# Altium PCB V1Copy of 2 Layers.PcbDoc (part 1 of 2) (continued)
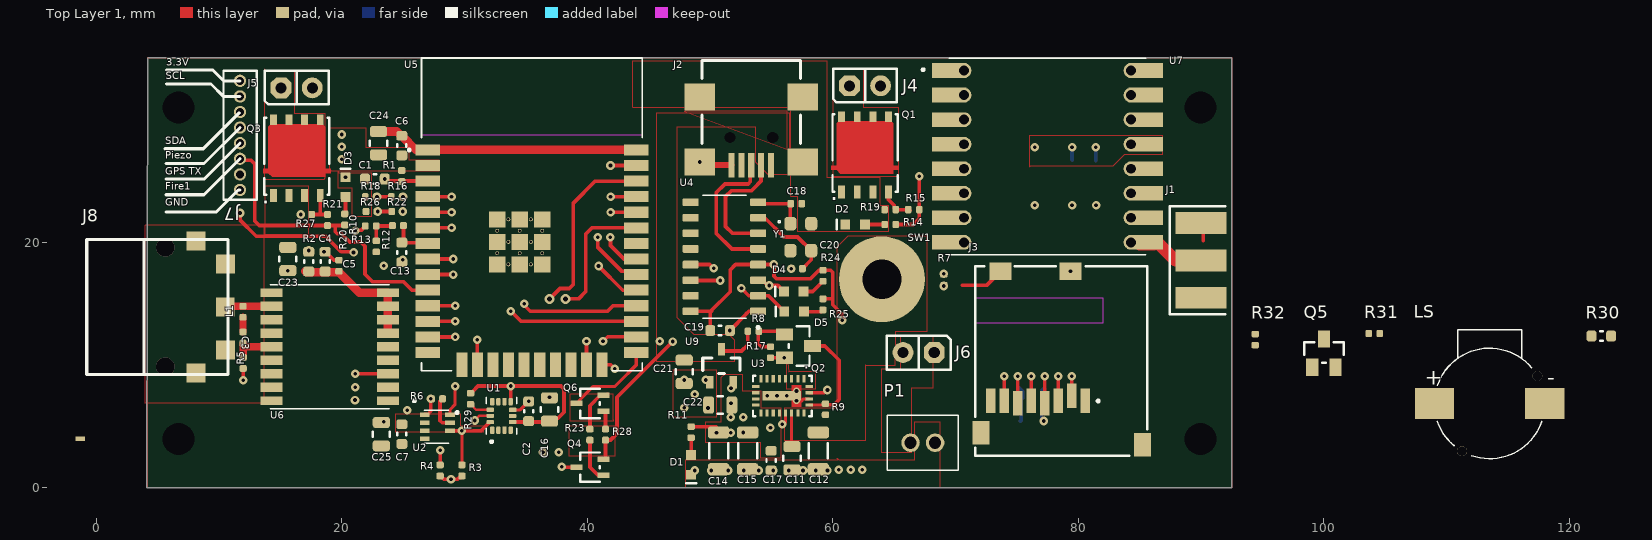
[diagram p0: Top Layer 1 view]
## Part data (continued)
J3: "10 _8 + 2_ Position Card Connector microSDâ„¢ Surface Mount, Right Angle Gold", Package=None, Availability=Unavailable, MF="Global Connector Technology", MP=MEM2061-01-188-00-A, Price=None, SnapEDA_Link=https://www.snapeda.com/parts/MEM2061-01-188-00-A/Global%20Connector%20Technology/view-part/779219/?ref=snap
J4 J5 J6: library part CON1108, Manufacturer 1=FCI, Manufacturer 4=Samtec, Manufacturer 5=Sullins, Manufacturer 6="SPC Technology", Manufacturer 8=Nextron, Manufacturer 10="WURTH ELEKTRONIK", Manufacturer Part Number 1=68001-202HLF, Manufacturer Part Number 2=77311-118-02LF, Manufacturer Part Number 3=68000-202HLF, Manufacturer Part Number 4=TSW-102-07-G-S, Manufacturer Part Number 5=PBC02SAAN, Manufacturer Part Number 6=SPC20481, Manufacturer Part Number 7=TSW-102-07-F-S, Manufacturer Part Number 8=R-211-0211-0021-000, Manufacturer Part Number 9=TSW-102-07-S-S, Manufacturer Part Number 10=61300211121, Supplier Part Number 1=609-3469-ND, Supplier Part Number 10=732-5315-ND, Category=Connector, ComponentLink1Description="SVN Datasheet", ComponentLink1URL=https://chn-vm-apps.microchip.com/mchprepo/parts/Datasheets/77311.pdf, ComponentLink2Description="Local Datasheet", ComponentLink2URL=C:\ALTIUM_WORK\00001_MCHP-CDB\Datasheets\77311.pdf, ComponentLink3Description="Open Symbol", ComponentLink3URL="C:\ALTIUM_WORK\00001_MCHP-CDB\Library\LibraryRefs\Header 1x2.SchLib", ComponentLink4Description="Open Footprint", ComponentLink4URL=C:\ALTIUM_WORK\00001_MCHP-CDB\Library\Footprints\HDR_M_2.54_1x2.PcbLib, ComponentLink5Description="Open Footprint 2", ComponentLink6Description="Open Footprint 3", ComponentLink7Description="Open Footprint 4", Description_="CON HDR-2.54 Male 1x2 Gold 5.84MH TH VERT", Dev Tools Status=Production, Manufacturer 2=FCI, Manufacturer 3=FCI, Manufacturer 7=Samtec, Manufacturer 9=Samtec, MCHP-ID=CON1108, Owner="Bogdan P (M91398)", Populated=Yes, Quantity Override=1, Revision=1, Status="MCL Design", Supplier 1=Digi-Key, Supplier 2=Digi-Key, Supplier 3=Digi-Key, Supplier 4=Digi-Key, Supplier 5=Digi-Key, Supplier 6=Newark, Supplier 7=Newark, Supplier 8=Nextron, Supplier 9=Samtec, Supplier 10=Digi-Key, Supplier Part Number 2=609-4434-ND, Supplier Part Number 3=609-3502-ND, Supplier Part Number 4=SAM1029-02-ND, Supplier Part Number 5=S1011E-02-ND, Supplier Part Number 6=93K5734, Supplier Part Number 7=79P3146, Supplier Part Number 8="Nextron R-211-0211-0021-000", Supplier Part Number 9=TSW-102-07-S-S, Symbol="Header 1x2", Type="Header 2.54mm"
J7: library part CON2104, Current=5A, Manufacturer 1="Samtec Inc.", Manufacturer Part Number 1=TMS-108-02-G-S, Operating Temperature="-55C to +125C", Supplier Part Number 1=SAM15869-ND, Assembly Type=TH, Category=Connector, ComponentLink1Description="SVN Datasheet", ComponentLink1URL=https://chn-vm-apps.microchip.com/mchprepo/parts/Datasheets/tms_th.pdf, ComponentLink2Description="Local Datasheet", ComponentLink2URL=C:\ALTIUM_WORK\00001_MCHP-CDB\Datasheets\tms_th.pdf, ComponentLink3Description="Open Symbol", ComponentLink3URL="C:\ALTIUM_WORK\00001_MCHP-CDB\Library\LibraryRefs\Header 1x8.SchLib", ComponentLink4Description="Open Footprint", ComponentLink4URL=C:\ALTIUM_WORK\00001_MCHP-CDB\Library\Footprints\HDR_M_1.27_1x8_V_TH_TMS-108-02-G-S.PcbLib, ComponentLink5Description="Open Footprint 2", ComponentLink6Description="Open Footprint 3", ComponentLink7Description="Open Footprint 4", Description_="CON HDR-1.27 Male 1x8 Gold 2.54MH TH VERT", Dev Tools Status=Design, MCHP-ID=CON2104, Owner="Ciprian Abramov", Populated=YES, Quantity Override=1, Revision=1, Status="MCL Design", Supplier 1=Digi-Key, Symbol="Header 1x8", Type="Header 1.27mm"
L1: library part IND1077, Manufacturer 1=TDK, Manufacturer Part Number 1=MLK1005S27NJ, Operating Temperature="-55C to +125C", Package=0402, RMS Current=200mA, Supplier Part Number 1=445-1472-1-ND, Test Frequency=100MHz, Category=Inductor, ComponentLink1Description="SVN Datasheet", ComponentLink1URL=https://chn-vm-apps.microchip.com/mchprepo/parts/Datasheets/e521_mlk.pdf, ComponentLink2Description="Local Datasheet", ComponentLink2URL=C:\ALTIUM_WORK\00001_MCHP-CDB\Datasheets\e521_mlk.pdf, ComponentLink3Description="Open Symbol", ComponentLink3URL=C:\ALTIUM_WORK\00001_MCHP-CDB\Library\LibraryRefs\Inductor.SchLib, ComponentLink4Description="Open Footprint", ComponentLink4URL=C:\ALTIUM_WORK\00001_MCHP-CDB\Library\Footprints\IND_C_0402.PcbLib, ComponentLink5Description="Open Footprint 2", ComponentLink6Description="Open Footprint 3", ComponentLink7Description="Open Footprint 4", DCR=0.8R, Description_="INDUCTOR 27nH 200mA 5% SMD 0402", Dev Tools Status=Production, MCHP-ID=IND1077, Owner="Tad Ahlvers", Populated=YES, Quantity Override=1, Revision=1, Status="MCL Design", Supplier 1=Digi-Key, Symbol=Inductor, Type=Inductor
LS: "9 mm, 3.6 V, 87 dB, Surface Mount _SMT_, Magnetic Audio Transducer Buzzer", Package="CUI Inc.", Availability=Unavailable, CUI_purchase_URL=https://www.cuidevices.com/product/audio/buzzers/audio-transducers/cbt-09427-smt-tr?utm_source=snapeda.com&utm_medium=referral&utm_campaign=snapedaBOM, MF="CUI Devices", MP=CBT-09427-SMT-TR, Price=None, SnapEDA_Link=https://www.snapeda.com/parts/CBT-09427-SMT-TR/CUI%20Devices/view-part/547873/?ref=snap
P1: "2 Rectangular Connectors - Housings Receptacle Natural 0.079 (2.00mm)", Package="Custom Package JST Sales", Availability=Warning, Check_prices=https://www.snapeda.com/parts/PHR-2/JST%20Sales%20America%20Inc./view-part/46880/?ref=eda, MF="JST Sales", MP=PHR-2, Price=None, Purchase-URL=https://pricing.snapeda.com/search/part/PHR-2/?ref=eda, SnapEDA_Link=https://www.snapeda.com/parts/PHR-2/JST%20Sales%20America%20Inc./view-part/46880/?ref=snap
Q1 Q3: library part TRA1320, Current=98A, Drain to Source Voltage=40V, Gate to Source Voltage=2V, Manufacturer 1="Infineon Technologies", Manufacturer Part Number 1=BSC032N04LSATMA1, Operating Temperature="-55C to +150C", Package=TDSON-8, Power=52W, Supplier Part Number 1=BSC032N04LSATMA1CT-ND, Category=Transistor, ComponentLink1Description="SVN Datasheet", ComponentLink1URL=https://chn-vm-apps.microchip.com/mchprepo/parts/Datasheets/Infineon-BSC032N04LS-DS-v02_01-EN.pdf, ComponentLink2Description="Local Datasheet", ComponentLink2URL=C:\ALTIUM_WORK\00001_MCHP-CDB\Datasheets\Infineon-BSC032N04LS-DS-v02_01-EN.pdf, ComponentLink3Description="Open Symbol", ComponentLink3URL="C:\ALTIUM_WORK\00001_MCHP-CDB\Library\LibraryRefs\Transistor MOS-N SSSGDDDD.SchLib", ComponentLink4Description="Open Footprint", ComponentLink4URL=C:\ALTIUM_WORK\00001_MCHP-CDB\Library\Footprints\PDFN-8_5x6.PcbLib, ComponentLink5Description="Open Footprint 2", ComponentLink6Description="Open Footprint 3", ComponentLink7Description="Open Footprint 4", Description_="TRANS FET N-CH  BSC032N04LSATMA1 40V 98A 52W TDSON-8", Dev Tools Status=Design, MCHP-ID=TRA1320, Owner="Cristian Papuc", Populated=YES, Quantity Override=1, Revision=1, Status="MCL Design", Supplier 1=Digikey, Symbol="Transistor MOS-N SSSGDDDD", Type=FET, Voltage=40V
Q2 Q5: library part MIC7247, "Transistor MOS", Manufacturer 1="Microchip Technology", Manufacturer Part Number 1=2N7002-G, Supplier Part Number 1=2N7002-GMCCT-ND, Category=MCHP-Analog, ComponentLink1Description="SVN Datasheet", ComponentLink2Description="Local Datasheet", ComponentLink2URL=C:\ALTIUM_WORK\00001_MCHP-CDB\Datasheets\2N7002.pdf, ComponentLink3Description="Open Symbol", ComponentLink3URL="C:\ALTIUM_WORK\00001_MCHP-CDB\Library\LibraryRefs\Transistor MOS-N GSD.SchLib", ComponentLink4Description="Open Footprint", ComponentLink4URL=C:\ALTIUM_WORK\00001_MCHP-CDB\Library\Footprints\SOT-23-3.PcbLib, ComponentLink5Description="Open Footprint 2", ComponentLink6Description="Open Footprint 3", ComponentLink7Description="Open Footprint 4", Description_="MCHP ANALOG MOSFET N-CH 2N7002-G 60V 115mA SOT-23-3", Dev Tools Status=Production, MCHP-ID=MIC7247, Owner="Mark Loper", Populated=YES, Quantity Override=1, Revision=1, Status="MCL Design", Supplier 1=Digi-Key, Symbol="Transistor MOS-N GSD", Type=MOSFET
Q4 Q6: library part TRA0094, "Transistor Bipolar", Current=100mA, Manufacturer 1="NXP Semiconductors", Manufacturer Part Number 1=BC847BW,135, Operating Temperature="-65C to +150C", Package=SOT-323-3, Power=200mW, Supplier Part Number 1=BC847BW,135-ND, Voltage=45V, Category=Transistor, ComponentLink1Description="SVN Datasheet", ComponentLink1URL=https://chn-vm-apps.microchip.com/mchprepo/parts/Datasheets/BC847_BC547_SER.pdf, ComponentLink2Description="Local Datasheet", ComponentLink2URL=C:\ALTIUM_WORK\00001_MCHP-CDB\Datasheets\BC847_BC547_SER.pdf, ComponentLink3Description="Open Symbol", ComponentLink3URL="C:\ALTIUM_WORK\00001_MCHP-CDB\Library\LibraryRefs\Transistor NPN BEC.SchLib", ComponentLink4Description="Open Footprint", ComponentLink4URL=C:\ALTIUM_WORK\00001_MCHP-CDB\Library\Footprints\SOT-323-3.PcbLib, ComponentLink5Description="Open Footprint 2", ComponentLink6Description="Open Footprint 3", ComponentLink7Description="Open Footprint 4", Description_="TRANS BJT NPN BC847W 45V 100mA 200mW SOT-323-3", Dev Tools Status=Production, MCHP-ID=TRA0094, Populated=YES, Quantity Override=1, Revision=2, Status="MCL Design", Supplier 1=Digi-Key, Symbol="Transistor NPN BEC", Type=BJT
R1 R6 R7 R10 R23 R28 R29 R32: library part RES1012, Manufacturer 1=SUSUMU, Manufacturer Part Number 1=RR0510P-103-D, Operating Temperature="-55C to +125C", Package=0402, Power=1/16W, Supplier Part Number 1=RR05P10.0KDCT-ND, Temperature Coefficient=25ppm/C, Tolerance=0.5%, Voltage=25V, Category=Resistor, ComponentLink1Description="SVN Datasheet", ComponentLink1URL=https://chn-vm-apps.microchip.com/mchprepo/parts/Datasheets/products_12.pdf, ComponentLink2Description="Local Datasheet", ComponentLink2URL=C:\ALTIUM_WORK\00001_MCHP-CDB\Datasheets\products_12.pdf, ComponentLink3Description="Open Symbol", ComponentLink3URL=C:\ALTIUM_WORK\00001_MCHP-CDB\Library\LibraryRefs\Resistor.SchLib, ComponentLink4Description="Open Footprint", ComponentLink4URL=C:\ALTIUM_WORK\00001_MCHP-CDB\Library\Footprints\RES_C_0402.PcbLib, ComponentLink5Description="Open Footprint 2", ComponentLink6Description="Open Footprint 3", ComponentLink7Description="Open Footprint 4", Composition=TF, Description_="RES TF 10k 0.5% 1/16W SMD 0402", Dev Tools Status=Production, MCHP-ID=RES1012, Owner="Tad Ahlvers", Populated=YES, Quantity Override=1, Revision=1, Status="MCL Design", Supplier 1=Digi-Key, Symbol=Resistor, Type="RES SMD"
R2: library part RES1130, Manufacturer 1=Panasonic, Manufacturer Part Number 1=ERJ-3EKF2201V, Operating Temperature="-55C to +155C", Package=0603, Power=1/10W, Supplier Part Number 1=P2.20KHCT-ND, Temperature Coefficient=100ppm/C, Tolerance=1%, Voltage=75V, Category=Resistor, ComponentLink1Description="SVN Datasheet", ComponentLink1URL=https://chn-vm-apps.microchip.com/mchprepo/parts/Datasheets/AOA0000CE2.pdf, ComponentLink2Description="Local Datasheet", ComponentLink2URL=C:\ALTIUM_WORK\00001_MCHP-CDB\Datasheets\AOA0000CE2.pdf, ComponentLink3Description="Open Symbol", ComponentLink3URL=C:\ALTIUM_WORK\00001_MCHP-CDB\Library\LibraryRefs\Resistor.SchLib, ComponentLink4Description="Open Footprint", ComponentLink4URL=C:\ALTIUM_WORK\00001_MCHP-CDB\Library\Footprints\RES_C_0603.PcbLib, ComponentLink5Description="Open Footprint 2", ComponentLink6Description="Open Footprint 3", ComponentLink7Description="Open Footprint 4", Composition=TKF, Description_="RES TKF 2.2k 1% 1/10W SMD 0603", Dev Tools Status=Production, MCHP-ID=RES1130, Owner="Bogdan P (M91398)", Populated=Yes, Quantity Override=1, Revision=0, Status="MCL Design", Supplier 1=Digi-Key, Symbol=Resistor, Type="RES SMD"
R3 R4 R11 R14 R20 R24 R25: library part RES1020, Manufacturer 1="Vishay Dale", Manufacturer Part Number 1=CRCW04022K20JNED, Operating Temperature="-55C to +155C", Package=0402, Power=1/16W, Supplier Part Number 1=541-2.2KJCT-ND, Temperature Coefficient=200ppm/C, Tolerance=5%, Voltage=50V, Category=Resistor, ComponentLink1Description="SVN Datasheet", ComponentLink1URL=https://chn-vm-apps.microchip.com/mchprepo/parts/Datasheets/dcrcwe3.pdf, ComponentLink2Description="Local Datasheet", ComponentLink2URL=C:\ALTIUM_WORK\00001_MCHP-CDB\Datasheets\dcrcwe3.pdf, ComponentLink3Description="Open Symbol", ComponentLink3URL=C:\ALTIUM_WORK\00001_MCHP-CDB\Library\LibraryRefs\Resistor.SchLib, ComponentLink4Description="Open Footprint", ComponentLink4URL=C:\ALTIUM_WORK\00001_MCHP-CDB\Library\Footprints\RES_C_0402.PcbLib, ComponentLink5Description="Open Footprint 2", ComponentLink6Description="Open Footprint 3", ComponentLink7Description="Open Footprint 4", Composition=TKF, Description_="RES TKF 2.2k 5% 1/16W SMD 0402", Dev Tools Status=Production, MCHP-ID=RES1020, Owner="Tad Ahlvers", Populated=YES, Quantity Override=1, Revision=1, Status="MCL Design", Supplier 1=Digi-Key, Symbol=Resistor, Type="RES SMD"
R5: library part RES1305, Manufacturer 1=ROHM, Manufacturer Part Number 1=MCR01MRTF10R0, Operating Temperature="-55C to +155C", Package=0402, Power=1/16W, Supplier Part Number 1=RHM10.0CDTR-ND, Temperature Coefficient=100ppm/C, Tolerance=1%, Voltage=50V, Category=Resistor, ComponentLink1Description="SVN Datasheet", ComponentLink1URL=https://chn-vm-apps.microchip.com/mchprepo/parts/Datasheets/mcr_g.pdf, ComponentLink2Description="Local Datasheet", ComponentLink2URL=C:\ALTIUM_WORK\00001_MCHP-CDB\Datasheets\mcr_g.pdf, ComponentLink3Description="Open Symbol", ComponentLink3URL=C:\ALTIUM_WORK\00001_MCHP-CDB\Library\LibraryRefs\Resistor.SchLib, ComponentLink4Description="Open Footprint", ComponentLink4URL=C:\ALTIUM_WORK\00001_MCHP-CDB\Library\Footprints\RES_C_0402.PcbLib, ComponentLink5Description="Open Footprint 2", ComponentLink6Description="Open Footprint 3", ComponentLink7Description="Open Footprint 4", Composition=TKF, Description_="RES TKF 10R 1% 1/16W SMD 0402", Dev Tools Status=Production, MCHP-ID=RES1305, Owner="Tad Ahlvers", Populated=YES, Quantity Override=1, Revision=1, Status="MCL Design", Supplier 1=Digi-Key, Symbol=Resistor, Type="RES SMD"
R8 R15 R21 R31: library part RES1436, Manufacturer 1="Panasonic Electronic Components", Manufacturer Part Number 1=ERJ-2RKF1000X, Operating Temperature="-55°C ~ 155°C", Package=0402, Power=1/10W, Supplier Part Number 1=P100LCT-ND, Temperature Coefficient=±100ppm/°C, Tolerance=1%, Category=Resistor, ComponentLink1Description="SVN Datasheet", ComponentLink1URL="https://chn-vm-apps.microchip.com/mchprepo/parts/Datasheets/AOA0000CE2 (1).pdf", ComponentLink2Description="Local Datasheet", ComponentLink2URL="C:\ALTIUM_WORK\00001_MCHP-CDB\Datasheets\AOA0000CE2 (1).pdf", ComponentLink3Description="Open Symbol", ComponentLink3URL=C:\ALTIUM_WORK\00001_MCHP-CDB\Library\LibraryRefs\Resistor.SchLib, ComponentLink4Description="Open Footprint", ComponentLink4URL=C:\ALTIUM_WORK\00001_MCHP-CDB\Library\Footprints\RES_C_0402.PcbLib, ComponentLink5Description="Open Footprint 2", ComponentLink6Description="Open Footprint 3", ComponentLink7Description="Open Footprint 4", Composition=TKF, Description_="RES TKF 100R 1% 1/10W SMD 0402", Dev Tools Status=Production, MCHP-ID=RES1436, Populated=YES, Quantity Override=1, Revision=1, Status="MCL Design", Supplier 1=Digi-Key, Symbol=Resistor, Type="RES SMD"
R9 R17: library part RSMT1272, Manufacturer 1=Yageo, Manufacturer Part Number 1=RC0402JR-0733KL, Operating Temperature="-55C to +155C", Package=0402, Power=1/16W, Supplier Part Number 1=311-33KJRCT-ND, Temperature Coefficient=±100ppm/°C, Tolerance=5%, Category=Resistor, ComponentLink1Description="SVN Datasheet", ComponentLink1URL=https://chn-vm-apps.microchip.com/mchprepo/parts/Datasheets/PYu-RC_Group_51_RoHS_L_10.pdf, ComponentLink2Description="Local Datasheet", ComponentLink2URL=C:\ALTIUM_WORK\00001_MCHP-CDB\Datasheets\PYu-RC_Group_51_RoHS_L_10.pdf, ComponentLink3Description="Open Symbol", ComponentLink3URL=C:\ALTIUM_WORK\00001_MCHP-CDB\Library\LibraryRefs\Resistor.SchLib, ComponentLink4Description="Open Footprint", ComponentLink4URL=C:\ALTIUM_WORK\00001_MCHP-CDB\Library\Footprints\RES_C_0402.PcbLib, ComponentLink5Description="Open Footprint 2", ComponentLink6Description="Open Footprint 3", ComponentLink7Description="Open Footprint 4", Composition=TKF, Description_="RES TKF 33k 5% 1/16W SMD 0402", Dev Tools Status=Production, MCHP-ID=RSMT1272, Owner="Jose Luis Caceres", Populated=YES, Quantity Override=1, Revision=1, Status="MCL Design", Supplier 1=Digi-Key, Symbol=Resistor, Type="RES SMD"
R12: library part RES1022, Manufacturer 1=Panasonic, Manufacturer 2=Hottech, Manufacturer Part Number 1=ERJ-2RKF1001X, Manufacturer Part Number 2=RI0402L1001FT, Operating Temperature="-55C to +155C", Package=0402, Power=1/10W, Supplier Part Number 1=P1.00KLTR-ND, Temperature Coefficient=100ppm/C, Tolerance=1%, Voltage=50V, Category=Resistor, ComponentLink1Description="SVN Datasheet", ComponentLink1URL=https://chn-vm-apps.microchip.com/mchprepo/parts/Datasheets/AOA0000CE2.pdf, ComponentLink2Description="Local Datasheet", ComponentLink2URL=C:\ALTIUM_WORK\00001_MCHP-CDB\Datasheets\AOA0000CE2.pdf, ComponentLink3Description="Open Symbol", ComponentLink3URL=C:\ALTIUM_WORK\00001_MCHP-CDB\Library\LibraryRefs\Resistor.SchLib, ComponentLink4Description="Open Footprint", ComponentLink4URL=C:\ALTIUM_WORK\00001_MCHP-CDB\Library\Footprints\RES_C_0402.PcbLib, ComponentLink5Description="Open Footprint 2", ComponentLink6Description="Open Footprint 3", ComponentLink7Description="Open Footprint 4", Composition=TKF, Description_="RES TKF 1k 1% 1/10W SMD 0402", Dev Tools Status=Production, MCHP-ID=RES1022, Owner="Tad Ahlvers", Populated=YES, Quantity Override=1, Revision=2, Status="MCL Design", Supplier 1=Digi-Key, Supplier 2=Hottech, Supplier Part Number 2=RI0402L1001FT, Symbol=Resistor, Type="RES SMD"
R13: library part RES1007, Manufacturer 1="Panasonic - ECG", Manufacturer Part Number 1=ERJ-2GEJ332X, Operating Temperature="-55C to +155C", Package=0402, Power=1/10W, Supplier Part Number 1=P3.3KJCT-ND, Temperature Coefficient=200ppm/C, Tolerance=5%, Voltage=50V, Category=Resistor, ComponentLink1Description="SVN Datasheet", ComponentLink1URL=https://chn-vm-apps.microchip.com/mchprepo/parts/Datasheets/AOA0000CE1.pdf, ComponentLink2Description="Local Datasheet", ComponentLink2URL=C:\ALTIUM_WORK\00001_MCHP-CDB\Datasheets\AOA0000CE1.pdf, ComponentLink3Description="Open Symbol", ComponentLink3URL=C:\ALTIUM_WORK\00001_MCHP-CDB\Library\LibraryRefs\Resistor.SchLib, ComponentLink4Description="Open Footprint", ComponentLink4URL=C:\ALTIUM_WORK\00001_MCHP-CDB\Library\Footprints\RES_C_0402.PcbLib, ComponentLink5Description="Open Footprint 2", ComponentLink6Description="Open Footprint 3", ComponentLink7Description="Open Footprint 4", Composition=TKF, Description_="RES TKF 3.3k 5% 1/10W SMD 0402", Dev Tools Status=Production, MCHP-ID=RES1007, Owner="Tad Ahlvers", Populated=YES, Quantity Override=1, Revision=0, Status="MCL Design", Supplier 1=Digi-Key, Symbol=Resistor, Type="RES SMD"
R16 R22: library part RES1011, Manufacturer 1=Panasonic, Manufacturer Part Number 1=ERJ-2RKF1003X, Operating Temperature="-55C to +125C", Package=0402, Power=1/10W, Supplier Part Number 1=P100KLCT-ND, Temperature Coefficient=100ppm/C, Tolerance=1%, Voltage=50V, Category=Resistor, ComponentLink1Description="SVN Datasheet", ComponentLink1URL=https://chn-vm-apps.microchip.com/mchprepo/parts/Datasheets/AOA0000CE2.pdf, ComponentLink2Description="Local Datasheet", ComponentLink2URL=C:\ALTIUM_WORK\00001_MCHP-CDB\Datasheets\AOA0000CE2.pdf, ComponentLink3Description="Open Symbol", ComponentLink3URL=C:\ALTIUM_WORK\00001_MCHP-CDB\Library\LibraryRefs\Resistor.SchLib, ComponentLink4Description="Open Footprint", ComponentLink4URL=C:\ALTIUM_WORK\00001_MCHP-CDB\Library\Footprints\RES_C_0402.PcbLib, ComponentLink5Description="Open Footprint 2", ComponentLink6Description="Open Footprint 3", ComponentLink7Description="Open Footprint 4", Composition=TKF, Description_="RES TKF 100k 1% 1/10W SMD 0402", Dev Tools Status=Production, MCHP-ID=RES1011, Owner="Tad Ahlvers", Populated=YES, Quantity Override=1, Revision=1, Status="MCL Design", Supplier 1=Digi-Key, Symbol=Resistor, Type="RES SMD"
R18 R26: library part RES2100, Manufacturer 1=Vishay, Manufacturer 2="Stackpole Electronics Inc.", Manufacturer Part Number 1=CRCW040262K0FKED, Manufacturer Part Number 2=RMCF0402FT62K0, Operating Temperature="-55C to +155C", Package=0402, Power=1/16W, Supplier Part Number 1=2140916, Temperature Coefficient=100ppm/C, Tolerance=1%, Category=Resistor, ComponentLink1Description="SVN Datasheet", ComponentLink1URL=https://chn-vm-apps.microchip.com/mchprepo/parts/Datasheets/SEI-RMCF_RMCP.pdf, ComponentLink2Description="Local Datasheet", ComponentLink2URL=C:\ALTIUM_WORK\00001_MCHP-CDB\Datasheets\SEI-RMCF_RMCP.pdf, ComponentLink3Description="Open Symbol", ComponentLink3URL=C:\ALTIUM_WORK\00001_MCHP-CDB\Library\LibraryRefs\Resistor.SchLib, ComponentLink4Description="Open Footprint", ComponentLink4URL=C:\ALTIUM_WORK\00001_MCHP-CDB\Library\Footprints\RES_C_0402.PcbLib, ComponentLink5Description="Open Footprint 2", ComponentLink6Description="Open Footprint 3", ComponentLink7Description="Open Footprint 4", Composition=TKF, Description_="RES TF 62k 1% 1/16W SMD 0402 AEC-Q200", Dev Tools Status=Production, MCHP-ID=RES2100, Owner="Cristian Papuc", Populated=YES, Quantity Override=1, Revision=1, Status="MCL Design", Supplier 1=Farnell, Supplier 2=Digi-Key, Supplier Part Number 2=RMCF0402FT62K0CT-ND, Symbol=Resistor, Type="RES SMD"
R19 R27: library part RES2130, Manufacturer 1="Panasonic - ECG", Manufacturer Part Number 1=ERJ-2RKF3301X, Operating Temperature="-55C to +155C", Package=0402, Power=1/10W, Supplier Part Number 1=P3.30KLTR-ND, Temperature Coefficient=100ppm/C, Tolerance=1%, Voltage=50V, Category=Resistor, ComponentLink1Description="SVN Datasheet", ComponentLink1URL=https://chn-vm-apps.microchip.com/mchprepo/parts/Datasheets/AOA0000C304.pdf, ComponentLink2Description="Local Datasheet", ComponentLink2URL=C:\ALTIUM_WORK\00001_MCHP-CDB\Datasheets\AOA0000C304.pdf, ComponentLink3Description="Open Symbol", ComponentLink3URL=C:\ALTIUM_WORK\00001_MCHP-CDB\Library\LibraryRefs\Resistor.SchLib, ComponentLink4Description="Open Footprint", ComponentLink4URL=C:\ALTIUM_WORK\00001_MCHP-CDB\Library\Footprints\RES_C_0402.PcbLib, ComponentLink5Description="Open Footprint 2", ComponentLink6Description="Open Footprint 3", ComponentLink7Description="Open Footprint 4", Composition=TKF, Description_="RES TKF 3.3k 1% 1/10W SMD 0402", Dev Tools Status=Production, MCHP-ID=RES2130, Owner="Mike Ragsdale", Populated=YES, Quantity Override=1, Revision=1, Status="MCL Design", Supplier 1=Digi-Key, Symbol=Resistor, Type="RES SMD"
R30: library part RSMT1021, Current=1A, Manufacturer 1="Stackpole Electronics Inc", Manufacturer Part Number 1=RMCF0603FT10R0, Operating Temperature="-55C to +155C", Package=0603, Power=1/10W, Supplier Part Number 1=RMCF0603FT10R0CT-ND, Temperature Coefficient=100ppm/C, Tolerance=1%, Voltage=50V, Category=Resistor, ComponentLink1Description="SVN Datasheet", ComponentLink1URL=https://chn-vm-apps.microchip.com/mchprepo/parts/Datasheets/SEI-RMCF_RMCP.pdf, ComponentLink2Description="Local Datasheet", ComponentLink2URL=C:\ALTIUM_WORK\00001_MCHP-CDB\Datasheets\SEI-RMCF_RMCP.pdf, ComponentLink3Description="Open Symbol", ComponentLink3URL=C:\ALTIUM_WORK\00001_MCHP-CDB\Library\LibraryRefs\Resistor.SchLib, ComponentLink4Description="Open Footprint", ComponentLink4URL=C:\ALTIUM_WORK\00001_MCHP-CDB\Library\Footprints\RES_C_0603.PcbLib, ComponentLink5Description="Open Footprint 2", ComponentLink6Description="Open Footprint 3", ComponentLink7Description="Open Footprint 4", Composition=TKF, Description_="RES TKF 10R 1% 1/10W SMD 0603", Dev Tools Status=Production, MCHP-ID=RSMT1021, Owner="Aaron VanDuerm", Populated=Yes, Quantity Override=1, Revision=1, Status="MCL Design", Supplier 1=Digi-Key, Symbol=Resistor, Type="RES SMD"
U2: "Pressure Sensor 4.35PSI ~ 15.95PSI _30kPa ~ 110kPa_ Absolute 16b 8-SMD", Package="SMD-8 Bosch Sensortec", Digi-Key_Part_Number=828-1064-1-ND, Digi-Key_Purchase_URL=https://www.digikey.com/product-detail/en/bosch-sensortec/BMP280/828-1064-1-ND/6136315?utm_source=snapeda&utm_medium=aggregator&utm_campaign=symbol, MF=Bosch, MP=BMP280, SnapEDA_Link=https://www.snapeda.com/parts/BMP280/Bosch%20Sensortec/view-part/1186631/?ref=snap
U3: library part MIC6968, Manufacturer 1="Microchip Technology", Manufacturer Part Number 1=MIC33M350YMP, Operating Temperature="-40C to +125C", Category=MCHP-Analog, ComponentLink1Description="SVN Datasheet", ComponentLink1URL="https://chn-vm-apps.microchip.com/mchprepo/parts/Datasheets/MIC33M350_6_ DOS_Rev02.pdf", ComponentLink2Description="Local Datasheet", ComponentLink2URL="C:\ALTIUM_WORK\00001_MCHP-CDB\Datasheets\MIC33M350_6_ DOS_Rev02.pdf", ComponentLink3Description="Open Symbol", ComponentLink3URL="C:\ALTIUM_WORK\00001_MCHP-CDB\Library\LibraryRefs\MIC33M350 QFN-24.SchLib", ComponentLink4Description="Open Footprint", ComponentLink4URL=C:\ALTIUM_WORK\00001_MCHP-CDB\Library\Footprints\QFN-24_3X4.5_MIC33M350.PcbLib, ComponentLink5Description="Open Footprint 2", ComponentLink6Description="Open Footprint 3", ComponentLink7Description="Open Footprint 4", Description_="MCHP ANALOG SWITCHER Buck 0.6V to 3.3V MIC33M350YMP QFN-24", Dev Tools Status=Production, MCHP-ID=MIC6968, Owner="Razvan Cristescu", Populated=YES, Quantity Override=1, Revision=1, Status="MCL Design", Supplier 1="Microchip Technology", Supplier Part Number 1=MIC33M350YMP, Symbol="MIC33M350 QFN-24", Type=Switcher
U4: "USB Interface Integrated Circuit", Package=None, Availability="Not in stock", Check_prices=https://www.snapeda.com/parts/Ch340G/WCH/view-part/?ref=eda, MF=WCH, MP=Ch340G, Price=None, SnapEDA_Link=https://www.snapeda.com/parts/Ch340G/WCH/view-part/?ref=snap
U5: "Bluetooth, WiFi Transceiver Module 2.4GHz ~ 2.5GHz Surface Mount", Package="Module Espressif Systems", Digi-Key_Part_Number=1904-1010-1-ND, Digi-Key_Purchase_URL=https://www.digikey.com/product-detail/en/espressif-systems/ESP32-WROOM-32/1904-1010-1-ND/8544305?utm_source=snapeda&utm_medium=aggregator&utm_campaign=symbol, MF="Espressif Systems", MP=ESP32-WROOM-32, SnapEDA_Link=https://www.snapeda.com/parts/ESP32-WROOM-32/Espressif%20Systems/view-part/2753322/?ref=snap
U6: "u-blox M8 GNSS module, ROM, crystal", Package="SMD-18 u-blox", Availability=Unavailable, MF="U-Blox America", MP=MAX-M8C-0-10, Price=None, SnapEDA_Link=https://www.snapeda.com/parts/MAX-M8C-0-10/U-Blox%20America%20Inc./view-part/4176794/?ref=snap
U7: "802.15.4, General ISM < 1GHz LoRaâ„¢ Transceiver Module 433MHz Surface Mount", Package="SMD-16 RF Solutions", Availability=Unavailable, MF="RF Solutions", MP=RFM98W-433S2, Price=None, SnapEDA_Link=https://www.snapeda.com/parts/RFM98W-433S2/RF%20Solutions/view-part/583263/?ref=snap
U9: library part MIC6213, "LDO", Manufacturer 1=Microchip, Manufacturer Part Number 1=MCP1703AT-3302E/CB, PackageType=SOT-23A, Supplier Part Number 1=MCP1703AT-3302E/CBCT-ND, TempRange="-40C to +125C", Category=MCHP-Analog, ComponentLink1Description="SVN Datasheet", ComponentLink1URL=http://www.microchip.com/wwwproducts/MCP1703A, ComponentLink2Description="Local Datasheet", ComponentLink3Description="Open Symbol", ComponentLink3URL="C:\ALTIUM_WORK\00001_MCHP-CDB\Library\LibraryRefs\MCP170X SOT-23-3_SOT-23A-3.SchLib", ComponentLink4Description="Open Footprint", ComponentLink4URL=C:\ALTIUM_WORK\00001_MCHP-CDB\Library\Footprints\SOT-23A-3.PcbLib, ComponentLink5Description="Open Footprint 2", ComponentLink6Description="Open Footprint 3", ComponentLink7Description="Open Footprint 4", Description_="MCHP ANALOG LDO 3.3V MCP1703AT-5002E/CB SOT-23A-3", Dev Tools Status=Production, ForceMinOrderQtyMult=True, IntroductionDate=2012-03-15, LeadContent=Pb-FREE, LeadCount=3, MAPS Description="LOWIQ 250MA LDO, VIN 16V MAX, VOUT=3.3V", MCHP-ID=MIC6213, MinOrderQty=1, MPC=HBAF1YM7XA33, Owner="Tad Ahlvers", PackingMedia=T/R, Populated=YES, Quantity Override=1, Revision=1, Stage=REL, Status="MCL Design", Supplier 1=Digi-Key, Symbol="MCP170X SOT-23-3_SOT-23A-3", tblDeviceFamilyID=3495, Type=LDO
Y1: "12MHz Â±20ppm Crystal 18pF 120 Ohms 4-SMD, No Lead", Package="SMD-4 Abracon", Availability=Bad, Check_prices=https://www.snapeda.com/parts/ABM8-12.000MHZ-B2-T3/Abracon%20LLC/view-part/1219277/?ref=eda, MF=Abracon, MP=ABM8-12.000MHZ-B2-T3, Price=None, SnapEDA_Link=https://www.snapeda.com/parts/ABM8-12.000MHZ-B2-T3/Abracon%20LLC/view-part/1219277/?ref=snap

## Free pads (board coordinates)
  round 0 hole 2.6 unplated mask+0.2: 0(6.699,4) 0(6.699,31) 0(89.975,4) 0(89.975,31)
  round 0 hole 3.2 unplated: 8(64,17)

## Via types
v1: diameter 0.7, hole 0.3, Top Layer 1 to Bottom Layer 1, tented both sides, 109 vias
v2: diameter 0.55, hole 0.3, Top Layer 1 to Bottom Layer 1, tented both sides, 5 vias
v3: diameter 0.7, hole 0.3, Top Layer 1 to Bottom Layer 1, 4 vias
v4: diameter 1.5, hole 1.5, Top Layer 1 to Bottom Layer 1, tented both sides, 2 vias
v5: diameter 0.8, hole 0.4, Top Layer 1 to Bottom Layer 1, tented both sides, 2 vias

## Nets (pads, with @x,y where several pads share a name; then routed paths per layer and width w, separated by ;. In a path a pad name is that pad's centre, name@x,y a point inside that pad or via, vN(x,y) a via of type N, cw(c..) or ccw(c..) an arc to the next point about the centre after c; other vN are vias at no path point)
3.3V: C2.2 C6.2 C7.2 C8.2 C9.1 C10.2 C14.2 C15.2 C16.2 C17.2 C19.2 C22.2 C23.2 C24.2 C25.2 C26.2 C27.2 J3.4 J7.1 R1.1 R2.1 R3.2 R4.2 R6.2 R7.1 R11.2 R24.2 R25.2 R29.1 R30.2 U1.5 U1.8 U2.6 U2.8 U3.12 U3.13 U3.14 U3.15 U3.16 U3.23 U4.4 U4.16 U5.2 U7.13 U7.13_1 U9.2 | length 98.5
  Top Layer 1 w0.25: U3.23@58.074,7.754 59.34,7.754 v1(59.561,7.976)
  Top Layer 1 w0.3: U2.8@26.75,5.965 26.775,5.99 27,5.99 27.25,6.24 v1(27.25,7.26) ; R4.2@28,0.971 28.125,0.846 28.18,0.846 28.326,0.7 v1(28.891,0.7) 29.428,0.7 29.574,0.846 29.657,0.846 R3.2@29.782,0.971 ; R29.1@30.487,7.71 30.512,7.71 30.637,7.835 30.637,7.84 31.097,8.301 v1(33.75,8.301) ; U1.8@33.75,7.025 v1(33.75,8.301) ; U1.5@33.91,5.365 36.837,5.365 C16.2@36.915,5.444 37.169,5.698 37.626,5.698 38.1,6.172 38.1,8.048 37.847,8.301 v1(33.75,8.301) ; U4.16@48.419,14.391 50.042,14.391 ; R11.2@48.458,4.992 50.516,4.992 50.516,4.697 C14.2@50.692,4.521 ; C19.2@50.016,12.827 50.016,14.289 50.118,14.391 50.042,14.391 ; R25.2@59.198,15.402 60,15.402 ; v1(60.758,13.658) 60.758,14.157 60,14.916 60,15.402 ; J3.4@77.265,6.906 v1(77.265,9.102) ; 50.042,14.391 51.642,15.99 51.642,17.762 52.08,18.201 U4.4@53.919,18.201 55.198,18.201 v1(55.205,18.207) 55.205,17.244 55.403,17.046 58.183,17.046 58.874,17.737 R24.2@59.198,17.737 59.824,17.737 60,17.562 60,15.402
  Signal 1 w0.3: v1(59.561,7.976) 59.561,11.961 60.758,13.158 v1(60.758,13.658)
  Signal 2 w0.3: 31.25,7.36 33.196,7.36 37.556,3 39,3 37.318,4.682 37.318,8.116 ; v1(54.919,4.897) 55.371,4.445 58.933,4.445 59.561,5.073 v1(59.561,7.976) ; 70.503,18.9 83.477,18.9 ; 70.518,17.453 71.968,18.902
  Bottom Layer 1 w0.3: v1(77.188,5.453) 77.038,5.603 77.038,7.227 77.065,7.254 C8.2@77.065,7.302 77.065,8.002 77.265,8.202 v1(77.265,9.102) ; v1(79.494,27.767) 79.494,26.731 C27.2@79.513,26.713 ; C10.2@81.418,26.663 v1(81.418,27.767)
  other v1: 36.383,2.9 37.661,2.9 50.518,4.484 51.673,4.484 52.705,4.521 23.4,5.384 51.687,5.751 52.705,5.751 51.712,6.91 51.712,8.116 69.053,17.451 17.3,19.35 20,26.793 76.465,27.767 20,27.8 20,28.8
ADC_VBAT: C13.2 R12.2 U5.7 | length 3.6
  Top Layer 1 w0.3: R12.2@25.018,21.378 25.018,20.125 C13.2@24.88,19.987 26.922,19.987 U5.7@26.987,19.923
BZ: J7.4 R31.2
D+: J2.3 U4.5 | length 11.8
  Top Layer 1 w0.3: J2.3@53.356,26.308 53.272,26.224 53.272,24.945 53.096,24.769 51.216,24.769 50.492,24.045 50.492,20.758 51.779,19.471 U4.5@53.919,19.471
D-: J2.2 U4.6 | length 10
  Top Layer 1 w0.3: U4.6@53.919,20.741 51.825,20.741 51.263,21.303 51.263,23.743 51.739,24.219 53.372,24.219 53.51,24.357 54.156,25.003 J2.2@54.156,26.308
DIO0: U5.24 U7.14 U7.14_1 | length 59
  Top Layer 1 w0.3: U5.24@41.202,10.032 41.902,10.032 v1(42.235,9.7)
  Signal 1 w0.3: v1(42.235,9.7) 42.282,9.7 43.1,10.518 52.844,10.518 58.124,15.798 58.124,20.833 58.3,21.009 81.71,21.009 83.15,22.449 83.15,28.526 84.46,29.837 85.068,29.837 85.142,29.762
DIO1: U5.8 U7.15 U7.15_1 | length 68.1
  Top Layer 1 w0.3: U5.8@26.987,18.653 v1(29.083,18.653)
  Signal 1 w0.3: v1(29.083,18.653) 30.053,18.653 30.5,19.1 30.5,25.259 32.341,27.1 46.875,27.1 50.575,30.8 67.1,30.8 69.309,33.009 83.732,33.009 84.424,32.317 84.448,32.317 84.979,31.786 84.979,31.762
DIO5: U5.23 U7.7 U7.7_1 | length 40.6
  Top Layer 1 w0.3: U5.23@39.932,10.032 v1(39.932,11.938)
  Signal 1 w0.3: v1(39.932,11.938) 40.755,11.115 52.325,11.115 57.574,16.364 57.574,21.633 57.95,22.009 U7.7_1@70.7,22.009
DTR: Q6.2 R23.1 U4.13 | length 13.5
  Top Layer 1 w0.3: R23.1@40.21,4.797 40.21,6.694 41.06,7.544 Q6.2@41.31,7.544 41.56,7.544 Q6.2@41.635,7.619 ; v1@45.891,11.924 v1(45.905,11.938) ; U4.13@48.419,18.201 49.957,18.201 50.258,17.9 v1(50.292,17.9)
  Signal 1 w0.3: v1(45.905,11.938) 45.982,12.015 45.982,13.606 v1@50.275,17.9
EN: C1.2 Q4.3 R1.2 U5.3 | length 48.6
  Top Layer 1 w0.3: v1(23.484,25.169) 23.651,25.003 U5.3@26.987,25.003 ; v1(37.923,1.716) 37.952,1.687 Q4.3@39.11,1.687
  Signal 1 w0.3: v1(23.484,25.169) 22.669,25.169 21.9,24.4 21.9,3.5 23.9,1.5 37.599,1.5 37.815,1.716 v1(37.923,1.716) ; v1@37.923,1.7 41.548,1.7 41.587,1.74 41.847,1.74 41.923,1.816
FIRE1: J7.6 R20.2 R21.2 U5.10 | length 24.7
  Top Layer 1 w0.3: J7.6@11.7,26.82 11.82,26.7 12.6,26.7 12.9,26.4 12.9,21.744 13.266,21.378 R21.2@18.828,21.378 19.457,21.378 ; R20.2@20.087,21.378 19.457,21.378 ; U5.10@26.987,16.113 25.706,16.113 25.018,16.8 22.5,16.8 21.884,17.416 21.884,19.7 21.542,20.042 20.637,20.042 19.978,20.702 19.633,20.702 19.457,20.877 19.457,21.378
FIRE2: R14.2 R15.2 U5.26 | length 39.8
  Top Layer 1 w0.3: v1(41.275,11.938) 41.661,12.324 43.966,12.324 U5.26@43.987,12.303 ; R14.2@65.126,21.463 66.558,21.463 67.05,21.955 v1(67.05,25.4)
  Signal 1 w0.3: v1(41.275,11.938) 54.737,25.4 v1(67.05,25.4)
GND: C1.1 C2.1 C3.1 C4.1 C5.1 C6.1 C7.1 C8.1 C9.2 C10.1 C11.1 C12.1 C13.1 C14.1 C15.1 C16.1 C17.1 C18.1 C19.1 C20.1 C21.1 C22.1 C23.1 C24.1 C25.1 C26.1 C27.1 D1.2 D2.2 D3.2 J1.2 J2.0 J2.5 J3.6 J3.10 J3.11 J3.12 J7.7 J7.8 J8.1 J8.2 J8.4 J8.5 P1.2 Q1.1 Q1.2 Q1.3 Q2.2 Q3.1 Q3.2 Q3.3 Q5.2 R13.1 R17.1 R18.1 R19.1 R26.1 R27.1 R32.1 U1.1 U1.6 U1.7 U2.1 U2.5 U2.7 U3.1 U3.2 U3.3 U3.10 U3.11 U3.22 U3.24 U3.25 U4.1 U5.1 U5.15 U5.38 U5.39_1 U5.39_2 U5.39_3 U5.39_4 U5.39_5 U5.39_6 U5.39_7 U5.39_8 U5.39_9 U5.39_10 U5.39_11 U5.39_12 U5.39_13 U5.39_14 U5.39_15 U5.39_16 U5.39_17 U5.39_18 U5.39_19 U5.39_20 U5.39_21 U6.1 U6.10 U6.12 U7.1 U7.1_1 U7.8 U7.8_1 U7.10 U7.10_1 U9.1 Y1.2 Y1.4 | length 43.2
  Top Layer 1 w0.25: U2.1@28.818,6.037 28.818,6.394 29.234,6.81 29.234,8.272 v1(29.23,8.276) ; U1.7@33.91,6.365 34.525,6.365 v1(35.219,7.06) ; v2(57.049,7.104) 57.469,7.104 57.619,7.254 U3.22@58.074,7.254
  Top Layer 1 w0.3: v1(11.954,8.781) C3.1@11.954,9.733 ; v1(18.549,19.237) C4.1@18.639,19.237 18.689,19.237 19.345,18.581 19.345,18.55 C5.1@19.756,18.55 ; v1(51.616,12.827) 52.975,14.186 52.975,14.215 53.151,14.391 U4.1@53.919,14.391 ; R17.1@54.919,10.609 Q2.2@56.034,10.609 ; J3.6@75.065,6.906 v1(75.065,9.102) ; v1(79.361,17.643) J3.10@79.375,17.656 ; J1.2@89.975,21.149 90.175,20.949 90.175,20.127
  Top Layer 1 w0.5: J2.0@49.406,26.308 J2.5@51.756,26.308
  Top Layer 1 w0.7: C24.1@22.984,29.04 24.48,29.04 24.83,28.69 C6.1@24.88,28.69 26.027,27.543 U5.1@26.987,27.543 U5.38@43.987,27.543 ; v1(49.156,26.558) J2.0@49.406,26.308
  Bottom Layer 1 w0.3: v1(75.065,9.102) 75.065,8.273 75.465,7.873 C8.1@75.465,7.302 ; C26.1@75.288,5.453 75.365,5.53 75.365,7.227 C8.1@75.465,7.327
  other v1: 48.743,1.421 50.092,1.421 51.492,1.421 52.746,1.421 53.979,1.421 55.156,1.421 56.4,1.421 57.574,1.421 58.62,1.421 59.561,1.421 60.487,1.471 61.469,1.471 62.4,1.471 25.32,6.335 49.828,6.511 47.891,6.542 36.915,7.394 48.743,7.644 47.891,8.8 49.657,8.8 56.034,10.608 56.622,17.868 24.95,18.581 16.637,22.278 76.465,23.042 79.494,23.042 81.45,23.042 20.287,25.316
  other v2: 54.649,7.504 55.449,7.504 56.249,7.504 57.049,7.904
  other v3: 15.595,17.702
GPS_RX: U5.28 U6.3 | length 32.5
  Top Layer 1 w0.3: v1(21.1,9.3) U6.3@23.75,9.3 ; v1(34.852,15) 34.852,14.892 35.353,14.391 41.639,14.391 42.091,14.843 U5.28@43.987,14.843
  Signal 2 w0.3: v1(21.1,9.3) 21.1,14.6 22.756,16.256 33.596,16.256 v1(34.852,15)
GPS_TX: J7.5 U5.27 U6.2 | length 58.4
  Top Layer 1 w0.3: v1@33.803,14.367 34.593,13.577 40.93,13.577 40.934,13.573 U5.27@43.987,13.573
  Signal 2 w0.3: J7.5@11.7,28.09 10.69,28.09 10.1,27.5 10.1,21.861 15.155,16.806 18.999,16.806 19.803,16.002 19.803,9.034 20.637,8.2 v1(21.1,8.2) 21.6,8.2 22,8.6 22,14.4 23.2,15.6 32.561,15.6 v1(33.77,14.391)
IO0: Q6.3 U5.25 | length 7.2
  Top Layer 1 w0.25: Q6.3@39.11,6.894 40.492,8.276 42.252,8.276 43.338,9.362
  Top Layer 1 w0.3: 43.338,9.362 43.987,10.011 U5.25@43.987,11.033
NetC11_2: C11.2 U3.18 | length 2.7
  Top Layer 1 w0.25: U3.18@56.649,6.104 56.649,3.396 C11.2@56.674,3.371
NetD1_1: D1.1 R11.1 | length 1.4
  Top Layer 1 w0.3: D1.1@48.458,2.675 R11.1@48.458,4.092
NetD2_1: D2.1 R14.1 | length 1.6
  Top Layer 1 w0.3: D2.1@62.616,21.463 R14.1@64.226,21.463
NetD3_1: D3.1 R20.1 | length 1.5
  Top Layer 1 w0.3: R20.1@20.087,22.278 20.112,22.278 20.237,22.403 20.237,22.529 20.287,22.579 D3.1@20.287,23.716
NetD4_1: D4.1 R24.1 | length 1.9
  Top Layer 1 w0.3: D4.1@57.62,16.002 58.363,16.002 R24.1@59.198,16.837
NetD5_1: D5.1 R25.1 | length 1.6
  Top Layer 1 w0.3: D5.1@57.649,14.367 59.063,14.367 R25.1@59.198,14.502
NetJ1_1: J1.1 U7.9 U7.9_1 | length 7.5
  Top Layer 1 w0.8: U7.9@84.979,19.762 U7.9@86.179,19.762
  Top Layer 1 w1: U7.9_1@84.3,20.009 U7.9@85.5,20.009 86.46,20.009 87.926,18.543 J1.1@90,18.543
NetJ4_1: J4.1 Q1.5 Q1.6 Q1.7 Q1.8 R16.2 | length 40.1
  Signal 1 w0.3: v1(24.98,23.716) 29.064,27.8 46.009,27.8 50.975,32.766 J4.1@61.357,32.766
NetJ5_1: J5.1 Q3.5 Q3.6 Q3.7 Q3.8 R22.2 | length 21.2
  Signal 1 w0.3: J5.1@15.047,32.596 15.047,32.798 16.549,34.3 22.7,34.3 24.234,32.766 24.234,24.031 24.23,24.026 24.23,23.405 24.773,22.862 24.773,22.826 24.966,22.632 v1(24.966,22.524)
NetJ6_1: J6.1 P1.1 SW1.2
NetJ8_3: J8.3 L1.2 U6.11 | length 3.8
  Top Layer 1 w0.6: J8.3@10.499,14.737 10.562,14.8 U6.11@14.25,14.8
NetL1_1: L1.1 R5.2 | length 1.2
  Top Layer 1 w0.6: R5.2@11.94,12.7 L1.1@11.94,13.911
NetLS_M: LS.M Q5.3
NetLS_P: LS.P R30.1
NetQ1_4: Q1.4 R15.1 R19.2 | length 2.9
  Top Layer 1 w0.3: Q1.4@64.532,24.111 64.532,23.481 65.001,23.012 65.001,22.797 R19.2@65.126,22.672 66.258,22.672 R15.1@66.31,22.62
NetQ2_1: Q2.1 R8.1 R17.2 | length 4.3
  Top Layer 1 w0.3: R17.2@54.919,11.509 54.165,11.509 53.919,11.754 53.919,12.711 R8.1@53.974,12.766 55.795,12.766 Q2.1@56.053,12.508
NetQ2_3: Q2.3 R9.1 U3.21 | length 8.4
  Top Layer 1 w0.25: U3.21@58.074,6.754 R9.1@59.296,6.754
  Top Layer 1 w0.3: Q2.3@58.353,11.558 59.353,11.558 60.518,10.393 60.518,7.212 60.087,6.782 59.473,6.782 R9.1@59.399,6.857
NetQ3_4: Q3.4 R21.1 R27.2 | length 2.9
  Top Layer 1 w0.3: R27.2@17.537,22.278 18.234,22.278 R21.1@18.828,22.278 ; Q3.4@18.234,23.845 18.234,22.372 18.327,22.278
NetQ4_1: Q4.1 R23.2 | length 3.6
  Top Layer 1 w0.3: R23.2@40.21,3.897 40.21,1.687 40.86,1.037 Q4.1@41.31,1.037
NetQ5_1: Q5.1 R31.1 R32.2
NetQ6_1: Q6.1 R28.2 | length 1.5
  Top Layer 1 w0.3: Q6.1@41.31,6.244 41.48,6.074 R28.2@41.48,4.797
NetR6_1: R6.1 U2.2 | length 2.7
  Top Layer 1 w0.3: R6.1@28.2,7.26 28,7.06 28,5.478 28.176,5.302 28.787,5.302 U2.2@28.8,5.315
NetR10_1: R10.1 R12.1 R13.2 | length 2.5
  Top Layer 1 w0.3: R13.2@22.802,20.135 R10.1@22.802,21.336 24.076,21.336 R12.1@24.118,21.378